# Altium PCB Fastino-DIOT.PCBDOC (part 9 of 22) (continued)
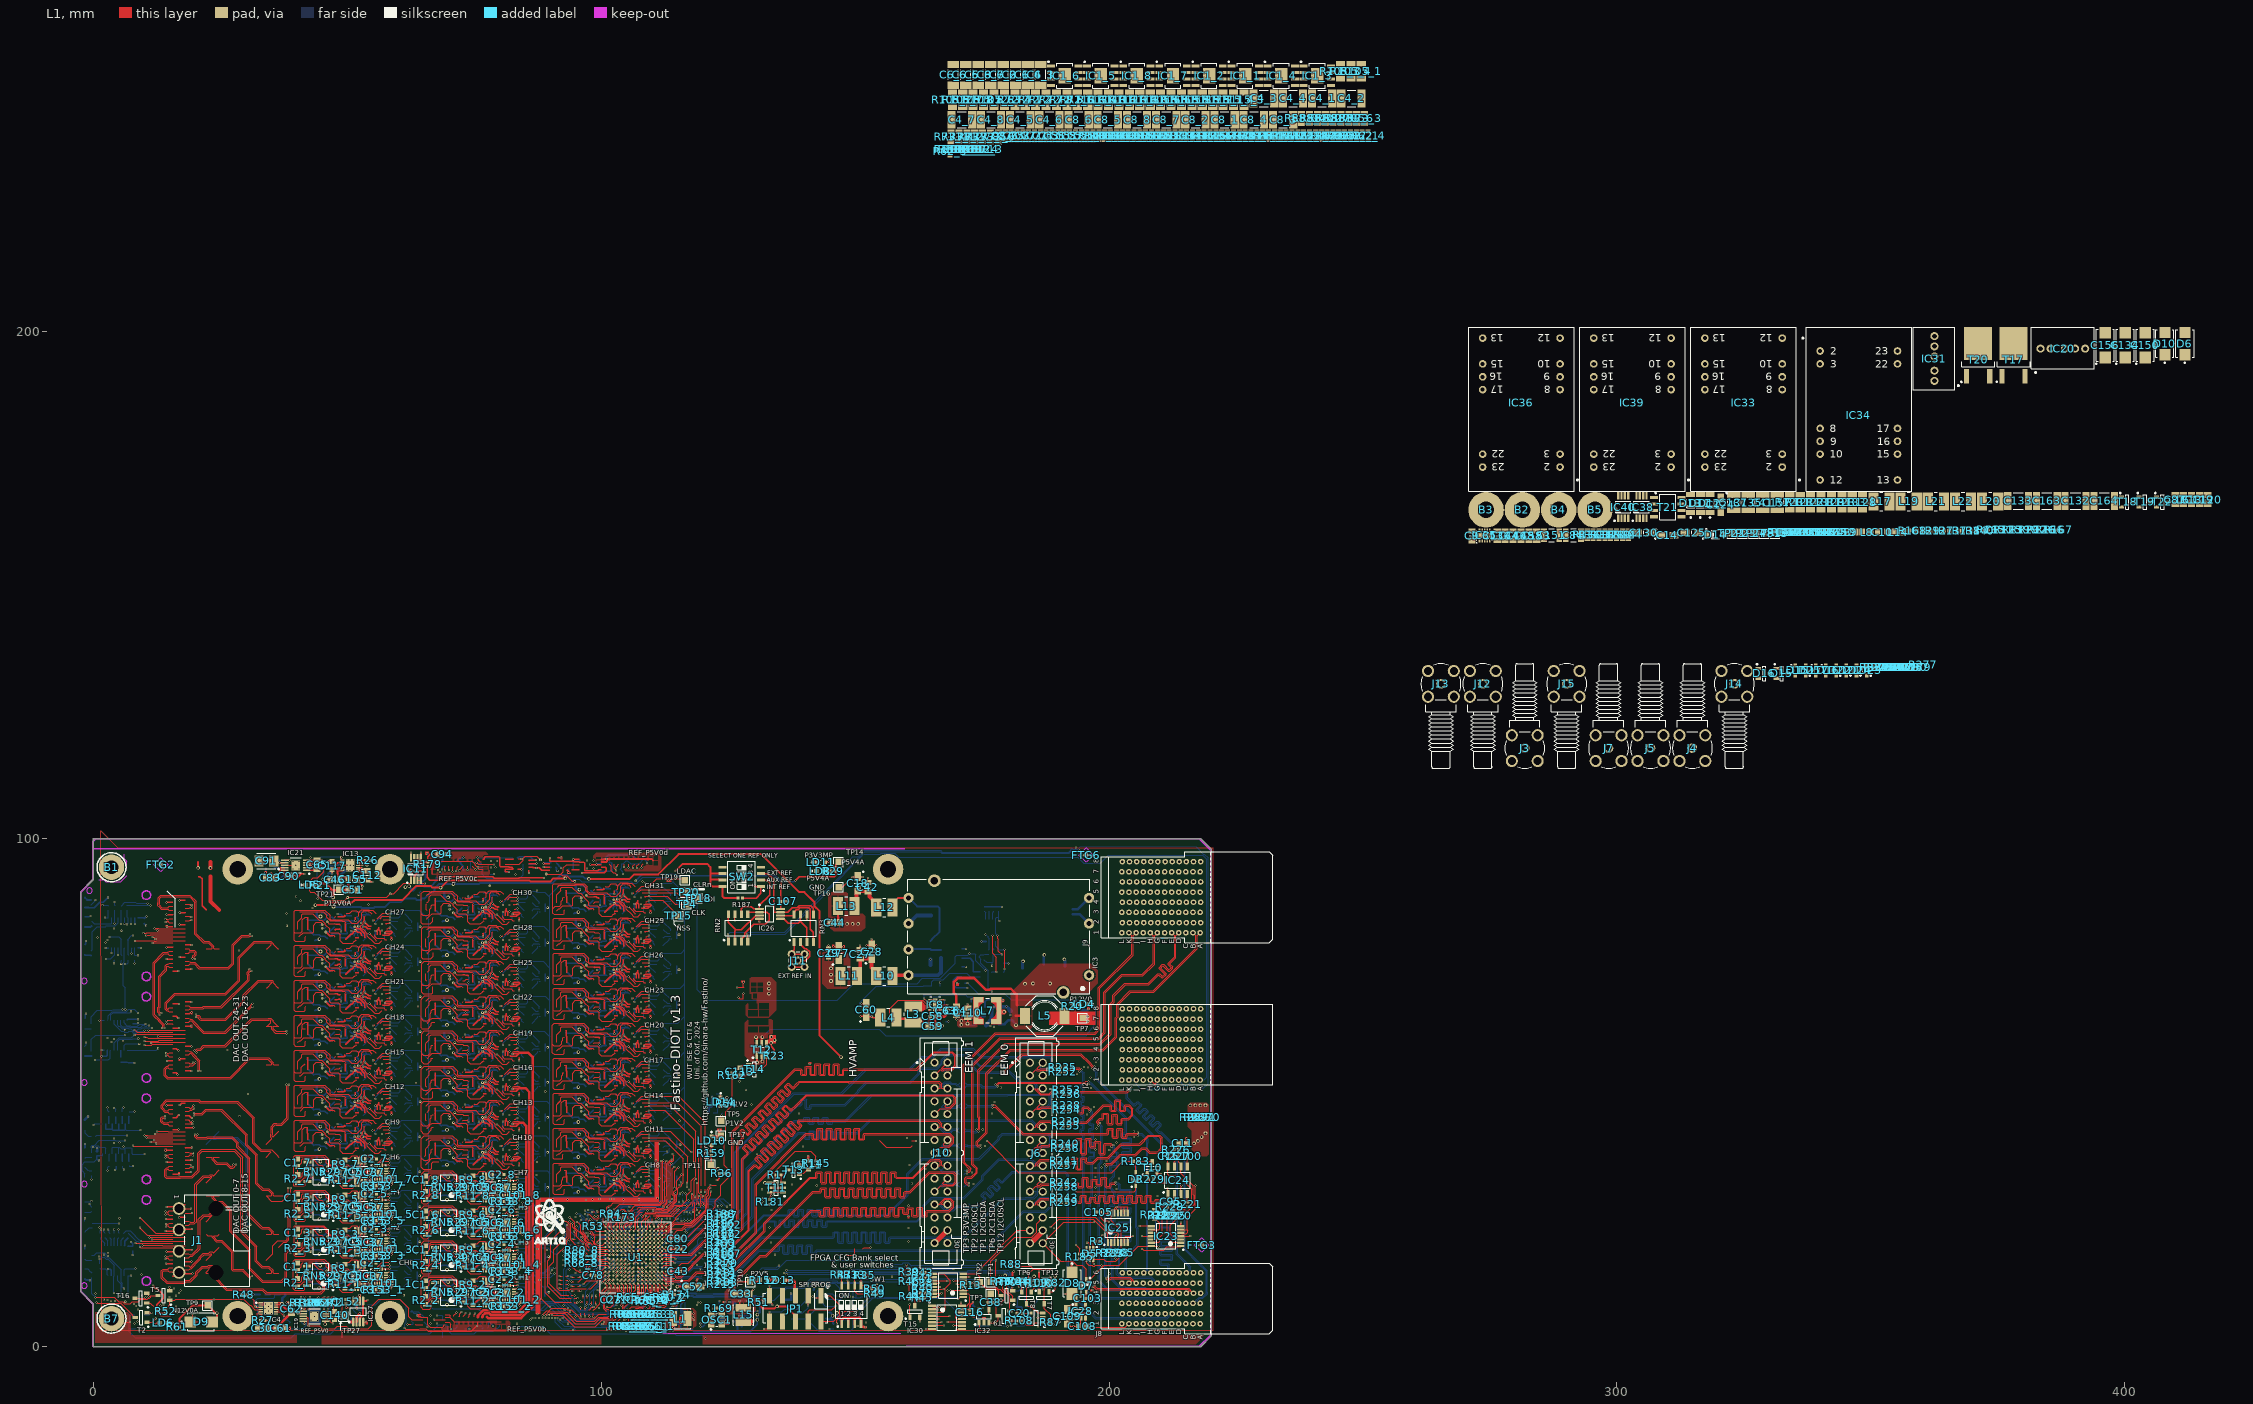
[diagram p0: L1 view]
## Nets (pads, with @x,y where several pads share a name; then routed paths per layer and width w, separated by ;. In a path a pad name is that pad's centre, name@x,y a point inside that pad or via, vN(x,y) a via of type N, cw(c..) or ccw(c..) an arc to the next point about the centre after c; other vN are vias at no path point) (continued)
  L3 w0.127: v1(1.168,23.47) 9.103,23.47 v1(9.128,23.444)
  L2 w0.127: v1(1.168,23.47) 1.168,28.44 1.941,29.212 1.941,34.109 1.797,34.252 1.797,49.35 1.941,49.493 1.941,56.941 1.959,56.96 1.959,72.288 1.753,72.495 v1(1.753,86.919) ; v1@38,85.275 38.025,85.25 v1(38.05,85.25) ; v1@108.585,70.714 v1(108.61,70.714) ; 129.54,47.854 129.515,47.828 129.515,47.8 129.587,47.729 v1(129.587,47.655)
  L6 w0.127: v1@87.249,33.63 v1(87.249,33.757) ; v1(88.976,50.216) 88.976,50.241 v1@89.002,50.267
  L8 w0.127: LD7.2@-1.676,37.17 -1.672,37.165 -1.65,37.165 -1.618,37.133 -1.477,37.274 -0.381,37.274 ; LD12.1@-1.676,59.17 -1.438,59.408 v1(-1.438,59.868) ; v1(1.753,86.919) 2.858,86.919 2.946,86.83 ; C104.2@9.289,3.658 9.832,3.658 9.934,3.556 v1(10.008,3.556) ; R230.2@10.098,6.264 11.014,6.264 v1(11.405,6.655) ; v1(36.017,5.232) 36.025,5.24 36.025,5.573 36.472,6.02 R32.2@36.5,6.02 ; v1@37.459,6.756 v1(37.465,6.756) ; v1(37.998,8.712) 37.998,8.638 38.172,8.465 38.172,8.233 38.632,7.772 C45.1@38.735,7.772 ; v1(38.608,3.556) 41.116,3.556 41.218,3.658 41.319,3.658 41.996,4.334 41.996,5.207 R155.1@41.889,5.313 ; v1(41.453,7.468) v1@41.478,7.493 ; C122.1@41.882,6.787 42.083,6.988 42.142,6.988 v1(42.418,7.264) ; v1(46.203,7.468) 46.507,7.468 46.556,7.516 46.563,7.516 47.125,8.077 C141.2@47.125,8.352 ; R67_1.1@47.321,13.843 R67_1.1@47.346,13.843 ; R67_3.1@47.376,20.562 R67_3.1@47.4,20.562 ; R67_5.1@47.376,27.448 R67_5.1@47.4,27.448 ; R67_7.1@47.376,34.335 R67_7.1@47.4,34.335 ; C118.2@48.597,92.467 C118.2@48.73,92.6 ; R157.1@48.946,6.921 49.035,7.01 v1(49.682,7.01) ; C143_1.1@52.718,15.43 C143_1.1@52.73,15.443 ; C143_3.1@52.772,22.149 C143_3.1@52.785,22.162 ; C143_5.1@52.772,29.036 C143_5.1@52.785,29.048 ; C143_7.1@52.772,35.922 C143_7.1@52.785,35.935 ; C138_1.2@54.398,11.42 C138_1.2@54.423,11.445 ; C138_3.2@54.453,18.138 C138_3.2@54.478,18.164 ; C138_5.2@54.453,25.025 C138_5.2@54.478,25.05 ; C138_7.2@54.453,31.911 C138_7.2@54.478,31.937 ; C138_1.2@55.296,11.735 C138_1.2@55.445,11.884 ; C138_3.2@55.35,18.453 C138_3.2@55.499,18.602 ; C138_5.2@55.35,25.34 C138_5.2@55.499,25.489 ; C138_7.2@55.35,32.227 C138_7.2@55.499,32.376 ; C138_1.2@55.414,11.699 C138_1.2@55.445,11.73 ; v3@55.423,13.106 v3@55.445,13.084 ; v3(55.445,13.116) 55.448,13.12 v3@55.448,13.132 ; C138_3.2@55.469,18.418 C138_3.2@55.499,18.448 ; C138_5.2@55.469,25.304 C138_5.2@55.499,25.335 ; C138_7.2@55.469,32.191 C138_7.2@55.499,32.222 ; v3@55.477,19.825 v3@55.499,19.803 ; v3@55.477,26.712 v3@55.499,26.69 ; v3@55.477,33.598 v3@55.499,33.576 ; v3(55.499,19.835) 55.503,19.838 v3@55.503,19.85 ; v3(55.499,26.721) 55.503,26.725 v3@55.503,26.737 ; v3(55.499,33.608) 55.503,33.611 v3@55.503,33.624 ; v1(61.846,4.369) 62.865,4.369 62.865,4.745 62.583,5.027 ; v1(62.648,93.831) 62.648,92.341 C167.1@62.66,92.329 ; C149.1@64.187,89.422 C149.1@64.529,89.764 ; IC12.5@66.037,97.096 66.324,96.809 IC12.5@66.324,96.779 ; v3(67.666,6.121) 68.629,6.121 68.75,6 R231.2@68.75,5.2 ; R67_2.1@72.527,10.602 R67_2.1@72.551,10.602 ; R67_4.1@72.527,17.489 R67_4.1@72.551,17.489 ; R67_6.1@72.527,24.375 R67_6.1@72.551,24.375 ; R67_8.1@72.527,31.262 R67_8.1@72.551,31.262 ; 73.101,3.48 v1(74.041,3.48) 74.041,5.105 ; 74.346,93.955 74.346,95.521 74.185,95.682 74.388,95.682 74.693,95.377 v1(75.413,95.377) 75.458,95.377 75.623,95.212 76.429,95.212 ; 77.686,3.708 77.864,3.887 77.864,4.928 78.703,4.089 v1(78.715,4.089) ; C143_2.1@77.923,12.19 C143_2.1@77.936,12.202 ; C143_4.1@77.923,19.076 C143_4.1@77.936,19.089 ; C143_6.1@77.923,25.963 C143_6.1@77.936,25.976 ; C143_8.1@77.923,32.85 C143_8.1@77.936,32.862 ; C138_2.2@79.604,8.179 C138_2.2@79.629,8.204 ; C138_4.2@79.604,15.065 C138_4.2@79.629,15.091 ; C138_6.2@79.604,21.952 C138_6.2@79.629,21.977 ; C138_8.2@79.604,28.839 C138_8.2@79.629,28.864 ; C138_2.2@80.501,8.494 C138_2.2@80.65,8.643 ; C138_4.2@80.501,15.381 C138_4.2@80.65,15.53 ; C138_6.2@80.501,22.267 C138_6.2@80.65,22.416 ; C138_8.2@80.501,29.154 C138_8.2@80.65,29.303 ; C138_2.2@80.62,8.458 C138_2.2@80.65,8.489 ; C138_4.2@80.62,15.345 C138_4.2@80.65,15.376 ; C138_6.2@80.62,22.231 C138_6.2@80.65,22.262 ; C138_8.2@80.62,29.118 C138_8.2@80.65,29.149 ; v3@80.628,9.866 v3@80.65,9.844 ; v3@80.628,16.752 v3@80.65,16.73 ; v3@80.628,23.639 v3@80.65,23.617 ; v3@80.628,30.525 v3@80.65,30.503 ; v3(80.65,9.875) 80.654,9.879 v3@80.654,9.891 ; v3(80.65,16.762) 80.654,16.765 v3@80.654,16.778 ; v3(80.65,23.649) 80.654,23.652 v3@80.654,23.664 ; v3(80.65,30.535) 80.654,30.539 v3@80.654,30.551 ; v1(98.29,21.524) 98.333,21.567 98.967,21.567 C53.1@99.033,21.633 ; v1(99.492,18.161) 99.492,17.758 C55.1@99.65,17.6 ; v1(104.324,93.082) 104.253,93.153 104.253,93.36 104.107,93.506 104.107,93.593 103.721,93.98 104.018,94.278 104.018,95.078 104.061,95.12 104.336,95.12 104.897,95.682 105.172,95.682 105.776,95.078 107.447,95.078 108.393,96.025 108.959,95.459 108.959,95.351 v1(109.03,95.28) ; v1(106,18.4) 106.75,18.4 C56.1@106.8,18.35 ; C75.1@106.05,17.6 v1(106.8,17.6) ; C24.1@106.75,16 106.832,16.082 106.832,16.721 v1@106.777,16.777 ; C79.1@107.475,17.601 107.594,17.721 107.594,18.331 v1@107.525,18.401 ; v1(107.645,16.815) 107.645,16.005 C25.1@107.65,16 ; v1(108.356,23.19) 108.356,23.264 108.498,23.405 108.498,23.854 C16.1@108.744,24.1 ; v1(111.78,8.6) 112.4,8.6 R237.1@112.5,8.5 ; v1(145,3.5) 145.7,3.5 C86.1@145.75,3.55 ; C93.1@177.355,63.509 177.384,63.48 v1(177.384,62.903) ; IC15.4@178.871,4.094 179.833,4.094 179.926,4 v1(180,4) ; D2.1@185.9,11.5 186.698,11.5 186.948,11.25 v1(187,11.25) ; v1(186,4) 186.074,4 186.169,4.095 IC16.4@187.2,4.095
  L8 w0.15: C69.1@166.761,70.913 v1(166.761,71.663) ; v1(170.036,71.563) 170.056,71.583 R101.1@170.636,71.583
  L8 w0.203: C142_1.1@53.086,11.216 53.438,11.568 53.481,11.568 53.625,11.711 53.625,12.37 53.828,12.573 v1(54.305,12.573) v1@54.331,12.573 ; C142_7.1@53.137,31.579 53.489,31.931 53.532,31.931 53.675,32.075 53.675,32.873 53.696,32.893 ; C142_3.1@53.141,17.934 53.493,18.286 53.536,18.286 53.679,18.43 53.679,19.088 53.882,19.292 54.347,19.292 v1(54.36,19.304) ; C142_5.1@53.141,24.821 53.493,25.173 53.536,25.173 53.679,25.316 53.679,25.975 53.882,26.178 v1(54.36,26.178) v1@54.385,26.178 ; 53.703,32.886 53.882,33.065 v1(54.36,33.065) v1@54.385,33.065 ; v3@55.448,14.402 55.482,14.436 55.482,14.887 56.739,16.144 C99_1.2@57.014,16.144 ; v3@55.503,21.12 55.537,21.155 55.537,21.606 56.794,22.863 C99_3.2@57.069,22.863 ; v3@55.503,28.007 55.537,28.041 55.537,28.492 56.794,29.749 C99_5.2@57.069,29.749 ; v3@55.503,34.894 55.537,34.928 55.537,35.379 56.794,36.636 C99_7.2@57.069,36.636 ; C142_2.1@78.292,7.975 78.644,8.327 78.687,8.327 78.83,8.47 78.83,9.129 79.033,9.332 v1(79.511,9.332) v1@79.536,9.332 ; C142_4.1@78.292,14.862 78.644,15.214 78.687,15.214 78.83,15.357 78.83,16.016 79.033,16.219 v1(79.511,16.219) v1@79.536,16.219 ; C142_6.1@78.292,21.748 78.644,22.1 78.687,22.1 78.83,22.244 78.83,22.902 79.033,23.105 v1(79.511,23.105) v1@79.536,23.105 ; C142_8.1@78.292,28.635 78.644,28.987 78.687,28.987 78.83,29.13 78.83,29.789 79.033,29.992 v1(79.511,29.992) v1@79.536,29.992 ; v3@80.654,11.161 80.688,11.195 80.688,11.646 81.945,12.903 C99_2.2@82.22,12.903 ; v3@80.654,18.048 80.688,18.082 80.688,18.533 81.945,19.79 C99_4.2@82.22,19.79 ; v3@80.654,24.934 80.688,24.969 80.688,25.42 81.945,26.676 C99_6.2@82.22,26.676 ; v3@80.654,31.821 80.688,31.855 80.688,32.306 81.945,33.563 C99_8.2@82.22,33.563
  L8 w0.254: LD2.1@-1.676,19.191 -1.672,19.196 -1.672,19.909 v1(-1.667,19.914) ; -1.676,79.161 -1.542,79.295 -1.542,79.855 v1(-1.515,79.883) ; -1.676,84.644 -1.672,84.639 -0.79,84.639 -0.665,84.764 v1(-0.626,84.764) ; v1(7.693,18.034) 7.709,18.05 7.709,18.834 7.722,18.847 ; 7.696,63.609 8.66,63.609 8.729,63.678 v1(8.768,63.678) ; 9.931,83.37 10.389,82.913 v1(10.389,82.88) ; C19.1@31.995,3.886 32.071,3.81 v1(33.096,3.81) ; R142.1@33.388,96.088 33.388,96.068 33.722,95.734 33.722,95.528 v1(33.75,95.5) ; v1@33.875,93.325 33.896,93.304 33.896,92.329 C96.1@33.925,92.3 ; v1@33.925,93.375 33.903,93.375 33.896,93.382 33.896,94.221 R100.2@33.925,94.25 ; v2(45.695,12.903) 46.381,12.903 47.32,13.842 R67_1.1@47.32,13.894 ; v2(45.749,19.622) 46.436,19.622 47.375,20.561 R67_3.1@47.375,20.612 ; v2(45.749,26.508) 46.436,26.508 47.375,27.447 R67_5.1@47.375,27.499 ; v2(45.749,33.395) 46.436,33.395 47.375,34.334 R67_7.1@47.375,34.386 ; v1(47.981,16.459) 48.02,16.459 48.081,16.398 48.651,16.398 C98_1.2@49.149,15.9 ; v1(48.035,23.178) 48.075,23.178 48.135,23.117 48.706,23.117 C98_3.2@49.204,22.619 ; v1(48.035,30.064) 48.075,30.064 48.135,30.004 48.706,30.004 C98_5.2@49.204,29.506 ; v1(48.035,36.951) 48.075,36.951 48.135,36.89 48.706,36.89 C98_7.2@49.204,36.392 ; v1(48.641,26.518) 48.641,26.557 48.706,26.622 48.706,27.637 C106_5.1@48.823,27.753 ; C97_1.1@48.666,11.836 48.692,11.811 C92_1.1@50.038,11.811 ; v1(48.692,12.929) 48.692,13.953 C106_1.1@48.771,14.032 ; C97_3.1@48.721,18.555 48.746,18.53 C92_3.1@50.093,18.53 ; C97_5.1@48.721,25.442 48.746,25.416 C92_5.1@50.093,25.416 ; C97_7.1@48.721,32.328 48.746,32.303 C92_7.1@50.093,32.303 50.429,32.639 50.508,32.639 50.657,32.788 50.657,33.071 50.776,33.19 50.776,33.58 v1@50.825,33.63 ; v1(48.743,33.452) 48.743,34.447 C106_7.1@48.826,34.53 ; v1(48.749,19.689) 48.749,20.793 C106_3.1@48.823,20.866 ; C98_1.2@49.835,16.358 49.835,16.202 49.922,16.115 C154_1.1@50.775,16.115 ; C98_3.2@49.889,23.076 49.889,22.92 49.977,22.833 C154_3.1@50.829,22.833 ; C98_5.2@49.889,29.963 49.889,29.807 49.977,29.72 C154_5.1@50.829,29.72 ; C98_7.2@49.889,36.849 49.889,36.694 49.977,36.606 C154_7.1@50.829,36.606 ; C92_1.1@50.013,11.76 C92_1.1@50.187,11.934 ; C92_3.1@50.067,18.479 C92_3.1@50.241,18.653 ; C92_5.1@50.067,25.365 C92_5.1@50.241,25.54 ; C92_7.1@50.067,32.252 C92_7.1@50.105,32.29 ; C92_1.1@50.241,11.989 50.444,11.989 50.602,12.147 50.602,12.583 50.721,12.702 50.721,13.053 v1@50.775,13.106 ; C92_3.1@50.296,18.707 C92_3.1@50.317,18.707 ; C92_5.1@50.296,25.594 50.498,25.594 50.657,25.752 50.657,26.188 50.776,26.307 50.776,26.658 v1@50.829,26.712 ; C92_3.1@50.317,18.72 50.463,18.866 50.508,18.866 50.657,19.014 50.657,19.129 50.776,19.248 v1@50.776,19.772 ; v1(50.804,19.825) 50.776,19.797 v1@50.776,19.772 ; v1@50.829,19.825 v1@50.776,19.772 ; v1(52.603,14.707) 52.631,14.735 52.631,15.319 C143_1.1@52.73,15.418 ; v1(52.658,21.425) 52.686,21.453 52.686,22.037 C143_3.1@52.785,22.136 ; v1(52.658,28.312) 52.686,28.34 52.686,28.924 C143_5.1@52.785,29.023 ; v1(52.658,35.198) 52.686,35.226 52.686,35.811 C143_7.1@52.785,35.91 ; C138_1.2@55.397,11.786 55.445,11.833 55.445,11.884 55.445,13.084 v3(55.445,13.116) ; C138_3.2@55.452,18.504 55.499,18.552 55.499,18.602 55.499,19.803 v3(55.499,19.835) ; C138_5.2@55.452,25.391 55.499,25.438 55.499,25.489 55.499,26.69 v3(55.499,26.721) ; C138_7.2@55.452,32.277 55.499,32.325 55.499,32.376 55.499,33.576 v3(55.499,33.608) ; RN1_1.8@63.754,13.183 63.787,13.216 63.787,13.97 ; RN1_1.5@63.787,14.699 63.787,13.97 ; RN1_3.8@63.809,19.901 63.842,19.934 63.842,20.689 ; RN1_5.8@63.809,26.788 63.842,26.821 63.842,27.575 ; RN1_7.8@63.809,33.674 63.842,33.708 63.842,34.462 ; RN1_3.5@63.842,21.417 63.842,20.689 ; RN1_5.5@63.842,28.304 63.842,27.575 ; RN1_7.5@63.842,35.19 63.842,34.462 ; v1(64.075,94.75) 64.103,94.722 65.25,94.722 IC12.4@65.394,94.579 ; C149.1@64.187,89.422 C149.1@64.21,89.399 ; v2(64.237,13.945) 63.813,13.945 63.787,13.97 ; v2(64.291,20.663) 63.867,20.663 63.842,20.689 ; v2(64.291,27.55) 63.867,27.55 63.842,27.575 ; v2(64.291,34.436) 63.867,34.436 63.842,34.462 ; v1(65.69,97.096) IC12.5@66.037,97.096 ; v1(68.642,93.964) 68.642,94.356 68.865,94.579 IC12.8@69.344,94.579 ; v2(70.9,9.662) 71.587,9.662 72.526,10.601 R67_2.1@72.526,10.653 ; v2(70.9,16.549) 71.587,16.549 72.526,17.488 R67_4.1@72.526,17.54 ; v2(70.9,23.436) 71.587,23.436 72.526,24.375 R67_6.1@72.526,24.426 ; v2(70.9,30.322) 71.587,30.322 72.526,31.261 R67_8.1@72.526,31.313 ; v1(73.186,13.218) 73.226,13.218 73.287,13.158 73.857,13.158 C98_2.2@74.355,12.66 ; v1(73.186,20.105) 73.226,20.105 73.287,20.044 73.857,20.044 C98_4.2@74.355,19.546 ; v1(73.186,26.992) 73.226,26.992 73.287,26.931 73.857,26.931 C98_6.2@74.355,26.433 ; v1(73.186,33.878) 73.226,33.878 73.287,33.817 73.857,33.817 C98_8.2@74.355,33.319 ; v1(73.78,30.473) 73.78,30.512 73.857,30.59 73.857,31.451 C106_8.1@73.974,31.567 ; v1(73.857,9.771) 73.857,10.791 C106_2.1@73.974,10.907 ; v1(73.857,23.545) 73.857,24.564 C106_6.1@73.974,24.68 ; C97_2.1@73.872,8.596 73.897,8.57 C92_2.1@75.244,8.57 ; C97_4.1@73.872,15.482 73.897,15.457 C92_4.1@75.244,15.457 ; C97_6.1@73.872,22.369 73.897,22.343 C92_6.1@75.244,22.343 75.58,22.679 75.659,22.679 75.808,22.828 75.808,23.081 75.927,23.2 75.927,23.654 v1@75.946,23.673 ; C97_8.1@73.872,29.255 73.897,29.23 C92_8.1@75.244,29.23 ; v1(73.9,16.616) 73.9,17.72 C106_4.1@73.974,17.794 ; C98_2.2@75.04,13.117 75.04,12.961 75.128,12.874 C154_2.1@75.98,12.874 ; C98_4.2@75.04,20.003 75.04,19.848 75.128,19.76 C154_4.1@75.98,19.76 ; C98_6.2@75.04,26.89 75.04,26.734 75.128,26.647 C154_6.1@75.98,26.647 ; C98_8.2@75.04,33.777 75.04,33.621 75.128,33.534 C154_8.1@75.98,33.534 ; C92_2.1@75.218,8.519 C92_2.1@75.392,8.694 ; C92_4.1@75.218,15.406 C92_4.1@75.392,15.58 ; C92_6.1@75.218,22.293 C92_6.1@75.256,22.331 ; C92_8.1@75.218,29.179 C92_8.1@75.392,29.353 ; C92_2.1@75.447,8.748 75.649,8.748 75.808,8.906 75.808,9.342 75.927,9.461 75.927,9.812 v1@75.98,9.866 ; C92_4.1@75.447,15.635 75.649,15.635 75.808,15.793 75.808,16.228 75.927,16.348 75.927,16.699 v1@75.98,16.752 ; C92_8.1@75.447,29.408 75.649,29.408 75.808,29.566 75.808,30.002 75.927,30.121 75.927,30.472 v1@75.98,30.525 ; v1(77.809,11.466) 77.837,11.494 77.837,12.078 C143_2.1@77.936,12.177 ; v1(77.809,18.352) 77.837,18.38 77.837,18.965 C143_4.1@77.936,19.064 ; v1(77.809,25.239) 77.837,25.267 77.837,25.851 C143_6.1@77.936,25.95 ; v1(77.809,32.126) 77.837,32.154 77.837,32.738 C143_8.1@77.936,32.837 ; C138_2.2@80.603,8.545 80.65,8.592 80.65,8.643 80.65,9.844 v3(80.65,9.875) ; C138_4.2@80.603,15.431 80.65,15.479 80.65,15.53 80.65,16.73 v3(80.65,16.762) ; C138_6.2@80.603,22.318 80.65,22.365 80.65,22.416 80.65,23.617 v3(80.65,23.649) ; C138_8.2@80.603,29.205 80.65,29.252 80.65,29.303 80.65,30.503 v3(80.65,30.535) ; RN1_2.8@88.96,9.942 88.905,9.942 88.866,9.981 88.866,10.435 88.889,10.458 88.993,10.458 88.993,10.729 ; RN1_4.8@88.96,16.828 88.905,16.828 88.866,16.867 88.866,17.321 88.889,17.344 88.993,17.344 88.993,17.616 ; RN1_6.8@88.96,23.715 88.905,23.715 88.866,23.754 88.866,24.208 88.889,24.231 88.993,24.231 88.993,24.502 ; RN1_8.8@88.96,30.602 88.993,30.635 88.993,31.389 ; RN1_2.5@88.993,11.458 88.993,10.729 ; RN1_4.5@88.993,18.344 88.993,17.616 ; RN1_6.5@88.993,25.231 88.993,24.502 ; RN1_8.5@88.993,32.118 88.993,31.389 ; v2(89.442,31.364) 89.018,31.364 88.993,31.389 ; v2(89.624,24.451) 89.573,24.502 88.993,24.502 ; v2(89.625,17.725) 89.516,17.616 88.993,17.616 ; v2(89.7,10.675) 89.646,10.729 88.993,10.729 ; v1(93.599,93.337) 93.599,93.377 93.632,93.409 93.632,94.082 ; 99.243,95.085 100.127,95.085 ; C54.1@103.3,24.55 103.483,24.367 103.747,24.367 103.991,24.124 v1(104.03,24.124) ; C115.1@103.55,25.7 104.055,25.195 v1(104.055,24.905) ; C81.1@113.43,4.98 C81.1@113.5,5.05 115.45,5.05 115.5,5 ; v1@115.6,5.2 115.6,5.736 115.606,5.742 115.606,6.012 v1(115.618,6.023) 115.618,8.368 115.795,8.368 116,8.573 v1(116,9) ; v1@115.643,5.157 115.643,4.721 115.61,4.688 115.623,4.676 115.623,3.577 IC29.2@115.75,3.45 ; v1(119.5,4.5) 120.232,4.5 C73.2@120.391,4.341 ; v1(119.565,3.946) 119.996,3.946 C73.2@120.391,4.341 ; C73.2@120.5,4.45 C73.2@120.391,4.341 ; R28.1@167.803,63.982 v1(168.433,63.982) ; T4.2@171.011,74.763 171.758,74.763 v1(171.791,74.796) ; T3.2@171.011,78.338 v1(171.836,78.338) ; R104.1@172.896,67.781 172.908,67.793 172.908,68.428 v1(172.921,68.441) ; R90.1@175.44,86.655 178.787,86.655 178.853,86.589 v1(178.892,86.589) ; C121.1@175.771,63.216 175.833,63.153 v1(176.634,63.153) ; D1.1@179.236,75.463 179.261,75.488 v1(180.161,75.488) ; v1(180.594,65.278) 180.594,65.989 C123.1@180.696,66.091
  L8 w0.381: v1(31.496,10.236) 31.5,10.24 31.74,10.24 31.75,10.25 R22.2@32.78,10.25 ; C74.1@102,7.85 102.119,7.97 102.495,7.97 102.7,8.175 103.044,8.175 v1(103.048,8.179) ; C76.1@110.183,17.618 110.196,17.604 v1@110.791,17.604 ; C67.1@113.25,22.4 113.369,22.52 113.777,22.52 113.81,22.552 v1(113.815,22.552) ; v1(174.925,79.794) IC7.4@175.76,79.794
  L8 w0.508: 0.686,38.474 0.711,38.499 v1(0.711,39.065) ; C139.2@43.383,8.56 43.383,7.518 v3(44.145,6.756) ; v3(43.561,5.944) 45.086,5.944 45.138,5.996 45.379,5.996 R154.1@45.415,6.032 ; R25.1@46.235,93.104 46.308,93.177 v1(46.985,93.177) ; C118.2@48.597,92.467 48.597,92.742 49.605,93.75 v3(49.9,93.75) ; v1(116.119,18.726) 116.119,18.963 116.819,19.663 C72.1@116.819,19.838 ; R77.1@121.155,46.067 121.155,46.963 121.472,47.28 121.672,47.28 121.718,47.326 T1.2@121.718,47.526 121.764,47.572 121.764,47.987 121.847,48.07 v1(121.847,49.163) ; C85.1@123.16,5.325 123.216,5.269 123.477,5.269 123.495,5.25 v1(124.706,5.25) ; R382.1@124.23,8.22 R382.1@124.25,8.22 v1(124.25,8.75) ; v1(125.247,8.763) 126.187,8.763 C258.2@126.2,8.75 126.2,8.575 127.25,7.525 v1(127.25,6) 127.5,6 ; C257.1@127.7,4 127.644,4.056 127.644,4.567 127.5,4.711 127.5,6 ; v1(127.75,6) 127.5,6 ; v1@127.861,6 IC18.2@128.55,6 ; IC18.2@128.8,6 v1(129.5,6) ; C17.1@135.7,8.915 136.03,9.246 IC6.4@137.389,9.246 v1(137.389,10.439) ; IC17.7@150.896,10.952 150.913,10.969 152.256,10.969 R60.2@152.273,10.986 v1(152.273,11.595) ; C36.1@182.968,74.541 182.968,75.752 v4(183.095,75.879) ; v4@187.15,76.85 187.159,76.842 C49.2@187.159,75.293 ; v4(191.208,76.265) 191.335,76.138 C32.1@191.335,74.893 ; R8.1@192.913,86.104 193.82,86.104 IC3.3@196.088,88.372 ; C48.1@194.908,66.474 C48.1@194.462,66.203 195.654,66.203 v1(195.961,66.51)
  L8 w0.762: IC3.5@160.528,83.292 162.126,84.89 C40.1@164.98,84.89 ; C26.1@164.811,75.118 v1(164.811,76.268) ; C121.1@175.771,63.216 175.915,63.36 175.915,63.535 176.884,64.505 176.884,66.42 177.38,66.916 IC22.1@178.256,66.916 ; IC22.1@178.425,66.926 v1@179.816,66.926 ; v1@179.871,66.916 180.377,66.41 180.377,66.235 180.521,66.091 C123.1@180.696,66.091
  other v1: 86.414,3.099 85.633,3.124 114.129,3.14 94.412,3.267 44.044,3.378 83.372,4.496 93.421,4.496 115.595,4.721 102.438,4.902 115.595,5.228 94.945,5.893 87.45,6.426 99.568,7.569 92.532,8.128 87.846,9.354 75.955,9.866 61.112,10.109 55.905,10.262 196.72,11.169 197.177,12.718 199.565,12.82 50.749,13.106 87.825,13.1 82.956,14.097 200.124,14.344 101.225,14.48 94.945,14.503 93.753,15.149 119.405,15.138 38.76,15.342 118.831,16.078 87.85,16.275 75.955,16.752 106.832,16.789 110.8,17.601 134.235,18.082 63.659,18.371 107.594,18.394 38.837,18.415 119.365,18.45 89.332,19.025 87.4,19.2 108.4,19.2 133.448,20.469 160.499,20.723 93.579,20.749 83.642,21.031 91.975,21.425 102.006,21.539 126.517,23.139 87.775,23.25 160.473,23.339 133.168,23.416 95.165,23.604 75.955,23.639 57.556,24.003 39.903,24.257 100.95,24.738 94.925,25.55 160.549,25.676 118.905,25.9 87.325,26.575 50.804,26.712 133.498,26.87 89.279,27.301 92.55,27.3 201.5,27.5 160.524,27.734 209.702,28.118 84.506,28.418 96.972,28.903 90.45,28.925 98.3,28.95 104.349,28.951 93.376,28.976 107.4,28.975 99.65,29.025 101.775,29.025 87.925,29.05 102.525,29.075 111.044,29.217 209.525,29.693 197.354,29.791 75.955,30.525 131.644,30.985 201.473,31.013 197.354,31.29 111.41,31.482 142.442,31.718 137.588,31.899 173.279,31.979 161.159,32.102 201.955,33.071 111.425,33.1 197.379,33.372 50.804,33.598 173.05,34.315 84.506,34.722 82.702,34.773 197.354,35.176 198.526,35.281 160.676,35.76 108.661,36.246 87.325,36.322 199.542,36.551 110.76,36.632 130.679,37.97 200.05,38.735 197.329,38.783 139.747,39.418 175.59,39.472 111.41,39.907 201.473,40.157 197.354,40.789 160.21,41.11 204.876,41.275 82.652,41.631 204.876,42.393 175.133,42.748 197.51,42.926 87.732,43.078 108.661,43.155 115.418,44.475 28.778,45.364 195.682,45.669 138.937,45.924 176.932,45.92 197.079,47.219 177.467,48.202 82.652,48.492 30.455,49.759 196.418,50.902 204.47,51.003 178.686,51.047 57.48,51.689 63.5,51.867 176.856,52.887 196.367,53.035 193.7,53.721 195.834,54.915 195.047,55.093 82.702,55.347 141.068,55.623 197.434,56.083 110.922,57.379 26.441,58.445 64.008,59.821 82.677,62.281 108.585,63.754 110.871,63.957 57.725,65.175 177.317,66.853 63.906,66.929 179.834,66.944 82.677,69.164 110.744,71.069 57.875,72.025 64.135,73.939 82.728,76 108.56,77.572 28.626,78.029 83.175,82.795 38.075,82.875 115.341,83.033 108.661,84.48 43.104,86.36 44.171,88.24 39.929,88.621 64.056,88.974 82.575,89.814 52.908,90.119 108.661,91.262 113.208,91.745 83.098,92.94
  other v3: 67.64,4.521 66.396,4.547 44.12,5.156 42.875,5.182 66.396,6.096 42.875,6.731 81.96,9.925 81.975,11.205 80.65,11.225 56.755,13.166 56.77,14.446 55.445,14.466 81.96,16.812 81.975,18.092 80.65,18.112 56.809,19.885 56.824,21.165 55.499,21.185 81.96,23.699 81.975,24.979 80.65,24.999 56.809,26.771 56.824,28.051 55.499,28.071 81.96,30.585 80.65,31.885 81.975,31.865 56.809,33.658 55.499,34.958 56.824,34.938 50.55,93.75 51.222,93.762 39.284,94.03 40.473,94.044 98.45,94.175 51.2,94.775 49.9,94.8 78.912,94.985 40.473,95.527 39.284,95.555 98.45,95.725 49.925,95.8 50.566,95.8 51.25,95.8
  other v4: 187.286,77.138
HV_NEG: L22.2 R114_1.2 R114_2.2 R114_3.2 R114_4.2 R114_5.2 R114_6.2 R114_7.2 R114_8.2 R128.1 R129.2 TP24.1
HV_POS: C128.1 C129.1 C130.1 C131.1 L19.2 R16_1.2 R16_2.2 R16_3.2 R16_4.2 R16_5.2 R16_6.2 R16_7.2 R16_8.2 R120.2 R122.2 TP23.1
HW_REV0: R36.2 U1.R6 | length 24.5
  L1 w0.127: U1.R6@108.8,22.8 109.209,23.21 109.209,24.033 109.286,24.11 v1(109.286,24.934) ; R36.2@124.231,34.036 v1(124.79,34.036)
  L3 w0.127: v1(117.316,30.975) 118.125,31.785 120.025,31.785 122.277,34.036 124.714,34.036 v1@124.79,34.112
  L6 w0.127: v1(109.286,24.934) 110.488,26.136 111.586,26.136 112.061,26.611 115.442,26.611 115.965,27.134 116.665,27.134 117.605,28.074 117.605,28.995 117.1,29.5 117.1,30.686 117.316,30.901 v1(117.316,30.975)
HW_REV1: R53.2 U1.R16 | length 2.7
  L1 w0.127: R53.2@98.4,23.216 98.47,23.216 99,22.686 100.612,22.686 100.726,22.8 U1.R16@100.8,22.8
HW_REV2: R94.2 U1.T15 | length 2.4
  L1 w0.127: U1.T15@101.702,23.702 U1.T15@101.6,23.6 101.608,23.608 101.608,25.478 101.732,25.603 R94.2@101.956,25.603
HW_REV3: R173.2 U1.T13 | length 2
  L1 w0.127: U1.T13@103.2,23.6 103.2,25.1 103.53,25.43 R173.2@103.53,25.45
HW_REV4: R174.2 U1.D8 | length 9.2
  L1 w0.127: U1.D8@107.221,14 107.221,13.949 107.52,13.65 v1(107.52,13.619) ; v1(114.3,11.094) 114.3,10.44 R174.2@114.44,10.3
  L6 w0.127: v1(107.52,13.619) 107.921,13.217 111.719,13.217 113.842,11.094 v1(114.3,11.094)
I2C0_SCL: D1.3 IC7.2 IC10.8 IC15.6 IC25.1 IC30.2 IC32.1 J6.27 R177.1 T6.3 TP2.1 | length 194.4
  L1 w0.127: IC30.2@165.147,7.365 165.197,7.315 v1(166.294,7.315) ; IC10.8@171.289,14.329 173.961,14.329 ; IC32.1@174.435,4.652 174.549,4.538 v1(174.549,3.556) ; v1(174.562,11.778) TP2.1@174.562,12.713 ; v1@174.974,15.635 177.921,18.582 177.921,18.921 181.881,22.881 J6.27@184.417,22.881 ; v1(175,15.61) 174.949,15.61 173.961,14.622 173.961,14.329 ; v1(177.06,81.001) 177.06,77.44 177.836,76.664 v1(177.836,73.788) ; T6.3@178.728,10.072 178.528,10.072 178.266,10.333 178.266,10.86 177.493,11.633 175.642,11.633 TP2.1@174.562,12.713 ; v1(188.493,23.52) 190.092,25.119 196.933,25.119 199.8,22.252 IC25.1@199.8,20.5 ; 173.961,14.329 174.562,13.728 TP2.1@174.562,12.713
  L3 w0.127: v1(166.294,7.315) 166.345,7.366 173.126,7.366 173.507,7.747 174.608,7.747 174.692,7.663 175.01,7.663 v1(175.062,7.611) ; J6.27@184.417,22.881 185.556,22.881 186.547,23.872 188.142,23.872 v1(188.493,23.52)
  L2 w0.127: v1(174.549,3.556) 174.524,3.58 174.524,5.969 174.555,6 174.5,6.055 174.5,7.555 174.555,7.611 ; v1(174.562,11.778) 174.555,11.772 174.555,7.611 ; v1(175.062,7.611) 174.555,7.611
  L5 w0.127: 154.73,38.075 154.74,38.065 154.74,15.76 v1(154.75,15.75) ; v1(177.836,73.788) 192.212,73.788 198.008,67.992 198.008,60.552 198.004,60.548 198.004,60.403 191.246,53.645 191.246,30.137 187.826,26.717 186.852,26.717 185.662,25.526 185.662,24.906 185.623,24.867 185.623,24.087 J6.27@184.417,22.881
  L8 w0.127: v1(154.75,15.75) 159.929,15.75 159.96,15.719 161.078,15.719 161.188,15.61 169.182,15.61 169.231,15.658 169.554,15.658 169.603,15.61 v1(175,15.61) ; IC15.6@173.471,5.364 173.946,5.364 174.448,5.866 174.448,5.948 v1(174.5,6) ; D1.3@176.936,73.763 176.961,73.788 v1(177.836,73.788) ; v1(177.06,81.001) IC7.2@177.06,79.794 177.06,78.471 177.089,78.443 177.089,78.423 177.315,78.196 R177.1@177.335,78.196
I2C0_SDA: D1.2 IC7.1 IC10.7 IC15.5 IC25.4 IC30.1 IC32.3 J6.26 R175.1 T9.3 TP1.1 | length 193.5
  L1 w0.127: IC30.1@165.147,8.015 165.273,7.89 v1(166.652,7.89) ; IC10.7@171.289,13.679 171.326,13.716 v1(172.568,13.716) ; IC32.3@176.335,4.652 177.601,4.652 178.169,5.22 T9.3@178.169,6.059 178.011,6.059 177.75,6.32 v1(177.75,8) 178.155,8 179.502,9.347 179.502,10.417 178.597,11.321 178.164,11.321 TP1.1@176.746,12.739 v1(176.746,13.674) 176.746,16.785 181.461,21.5 184.75,21.5 185.75,22.5 185.75,24.214 J6.26@186.957,25.421 ; v1(179.456,74.356) v1(179.456,78.245) ; v1(188.837,25.485) 197.265,25.485 200.25,22.5 201.552,22.5 201.891,22.162 201.891,21.838 201.75,21.698 IC25.4@201.75,20.5
  L3 w0.127: v1(166.652,7.89) 166.726,7.89 166.837,8.001 v1(177.75,8) ; v1(172.568,13.716) 172.589,13.695 176.725,13.695 v1(176.746,13.674) ; J6.26@186.957,25.421 186.989,25.453 188.805,25.453 v1(188.837,25.485)
  L5 w0.127: v1(156,16.25) 156,39.344 157.27,40.615 ; v1(179.456,74.356) 192.144,74.356 198.25,68.25 198.25,68.109 198.262,68.097 198.262,60.446 198.258,60.442 198.258,60.298 191.5,53.54 191.5,29.964 J6.26@186.957,25.421
  L8 w0.127: v1(156,16.25) 159.25,16.25 159.5,16.5 160.5,16.5 161,16 v1(176.75,16) ; IC15.5@173.471,4.094 176.344,4.094 v1(177,4.75) ; IC7.1@177.71,79.794 177.71,78.796 178.064,78.443 178.064,78.423 178.29,78.196 R175.1@178.31,78.196 179.407,78.196 v1(179.456,78.245) ; D1.2@179.236,73.763 179.456,73.982 v1(179.456,74.356)
I2C1_SCL: D2.3 IC9.1 IC16.6 J10.27 R87.1 T7.3 TP12.1 | length 57.6
  L1 w0.127: v1(183.5,4.75) 183.552,4.698 183.552,4.443 183.758,4.237 185.016,4.237 185.507,4.728 IC9.1@186.987,4.728 187.881,4.728 188.461,5.308 R87.1@188.481,5.308 188.481,6.253 187.237,7.498 T7.3@187.237,8.465 187.237,10.934 187.39,11.088 187.39,11.412 187.237,11.566 187.237,12.078 TP12.1@187.77,12.612 188.493,13.335 v1(188.493,13.945) ; v1(189.595,21.946) v1@189.62,21.92
  L2 w0.127: v1(188.493,13.945) 189.595,15.046 v1(189.595,21.946)
  L6 w0.127: J10.27@165.647,22.906 167.196,24.456 168.818,24.456 168.89,24.384 178.951,24.384 179.336,23.999 186.805,23.999 186.932,23.872 187.367,23.872 189.319,21.92 189.57,21.92 v1(189.595,21.946)
  L8 w0.127: IC16.6@181.8,5.365 182.885,5.365 v1(183.5,4.75) 184.5,5.75 184.5,7.75 183.5,8.75 183.5,9.7 D2.3@183.6,9.8
I2C1_SDA: D2.2 IC9.3 IC16.5 J10.26 R88.1 T8.3 TP6.1 | length 58.8
  L1 w0.127: J10.26@168.187,25.446 J10.26@168.475,25.446 ; R88.1@180.75,15.78 184.551,15.78 185.066,15.265 ; IC9.3@186.987,6.628 185.932,6.628 184.587,7.973 184.018,7.973 183.757,8.234 T8.3@183.757,8.434 183.757,12.586 TP6.1@183.706,12.637 184.192,13.123 184.192,14.391 185.066,15.265 ; v1(188.722,15.265) 185.066,15.265 ; v1(188.799,21.294) 188.968,21.463
  L2 w0.127: v1(188.722,15.265) 188.724,15.265 188.799,15.34 v1(188.799,21.294) 189.205,21.7 v1(189.205,23.393)
  L6 w0.127: J10.26@168.187,25.446 168.995,24.638 183.799,24.638 184.041,24.397 188.227,24.397 189.205,23.419 v1(189.205,23.393)
  L8 w0.127: IC16.5@181.8,4.095 183.345,4.095 183.61,4.36 183.662,4.36 183.89,4.588 183.89,4.64 185.5,6.25 v1(185.5,7) 185.5,8.5 185.9,8.9 D2.2@185.9,9.8
I2C_SCL: R161.1
I2C_SDA: R150.1
LED_ERR: LD19.1 R30.1 | length 1.4
  L8 w0.381: LD19.1@-1.676,88.439 -1.676,88.389 -1.258,87.97 R30.1@-0.5,87.97 R30.1@-0.48,87.97